# Altium PCB BSPD+SDC.PcbDoc (part 1 of 2)
Units mil, origin at the board's own origin, x right, y up, seen from the top; angles counter-clockwise.
Board outline 4358 x 4357 mil, 2 copper layers (Top Layer, Bottom Layer); 178 components, 132 nets, 572 pads, 173 vias.
Unrouted connection lines stored in the file: 1.
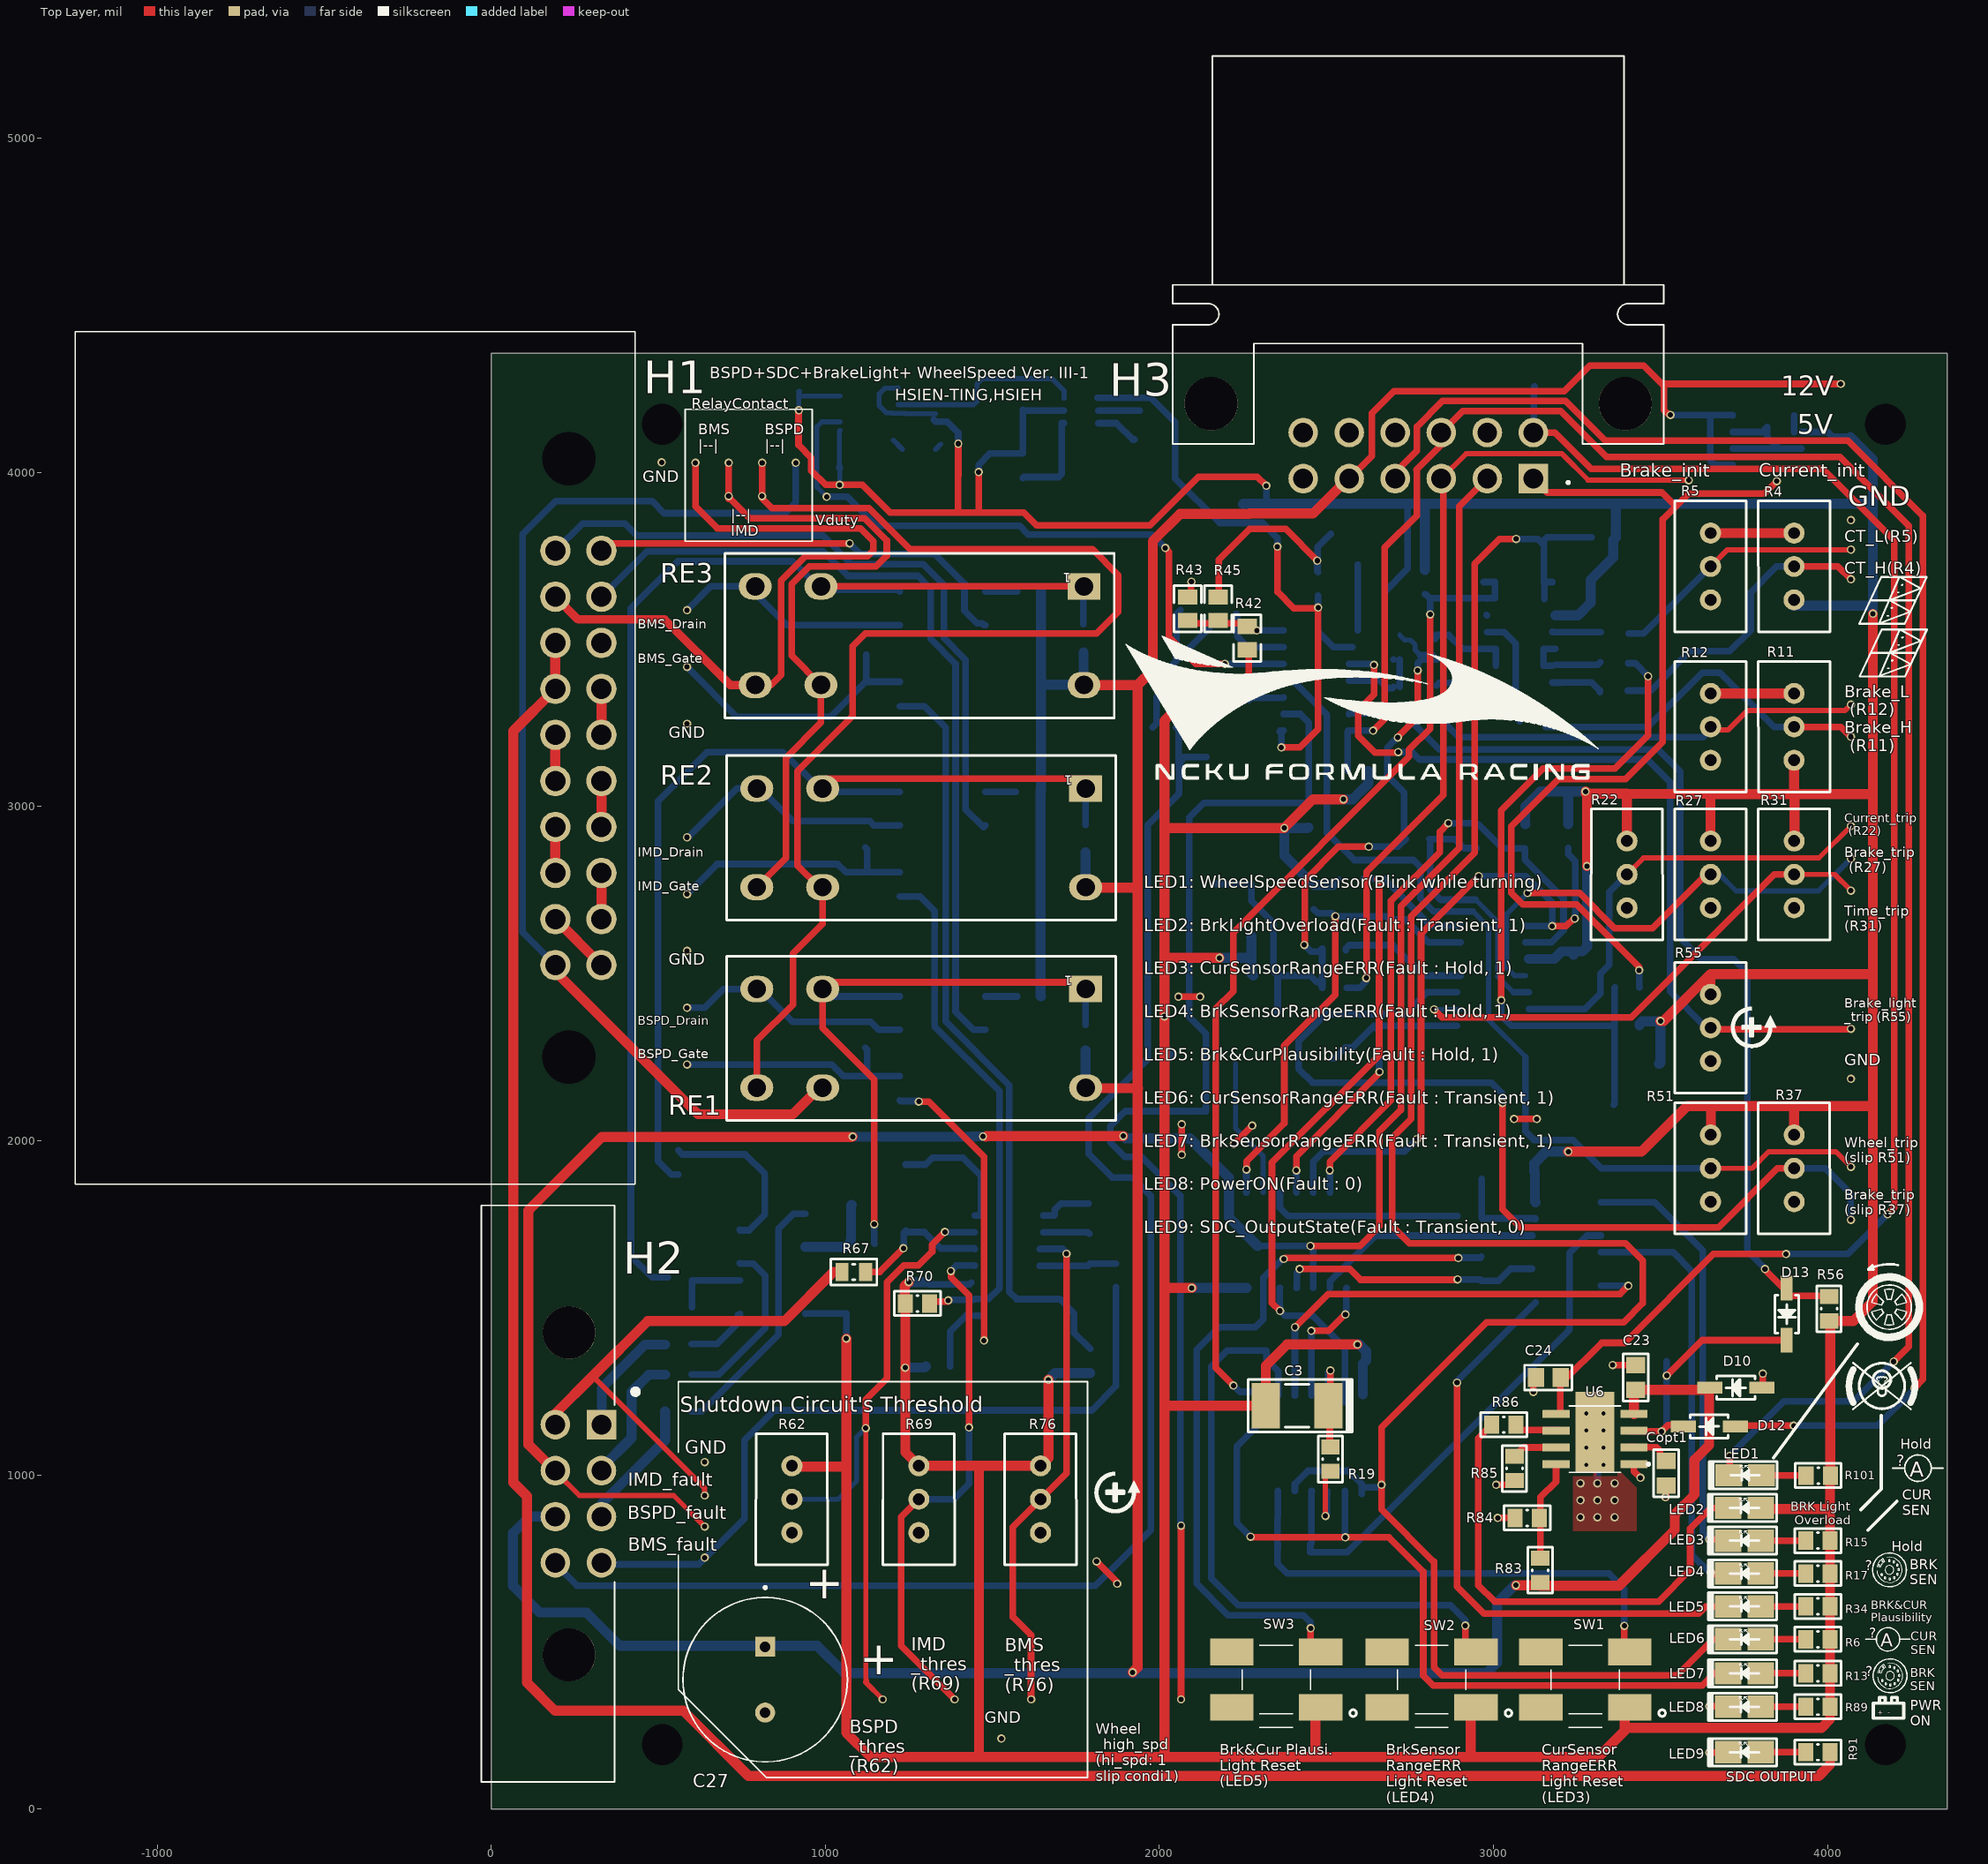
[diagram p0: Top Layer view]
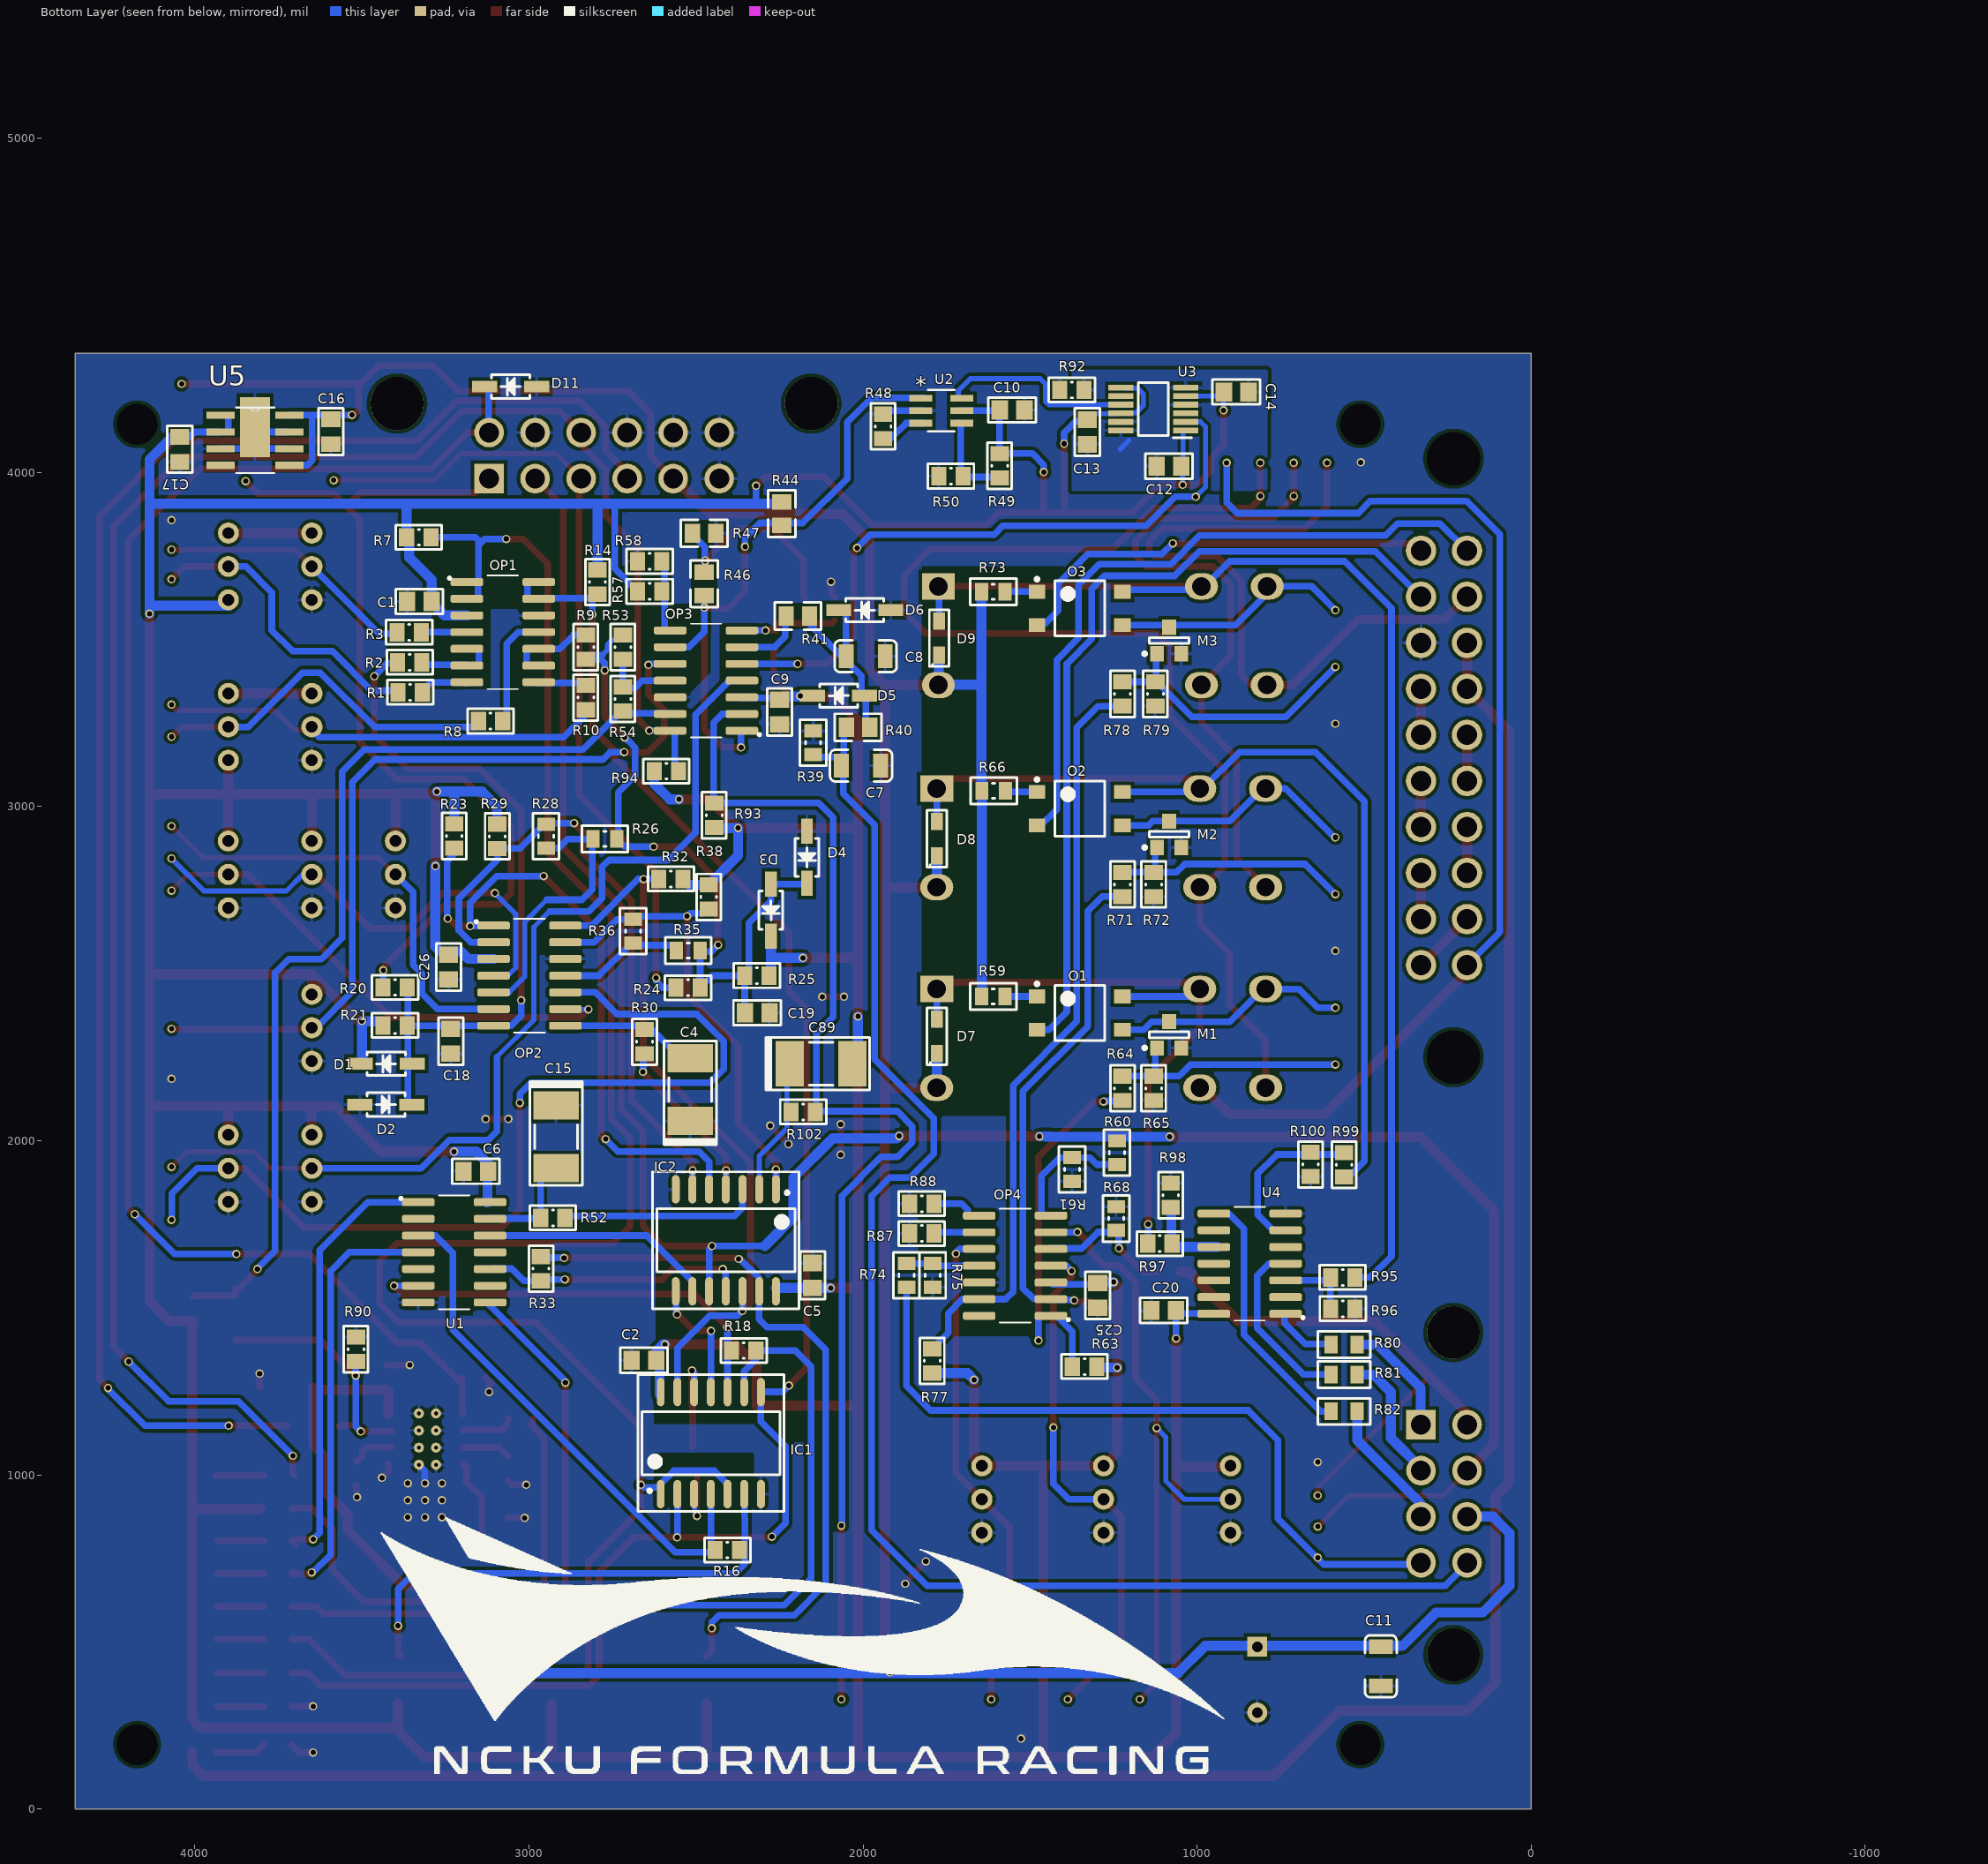
[diagram p1: Bottom Layer view, seen from below]
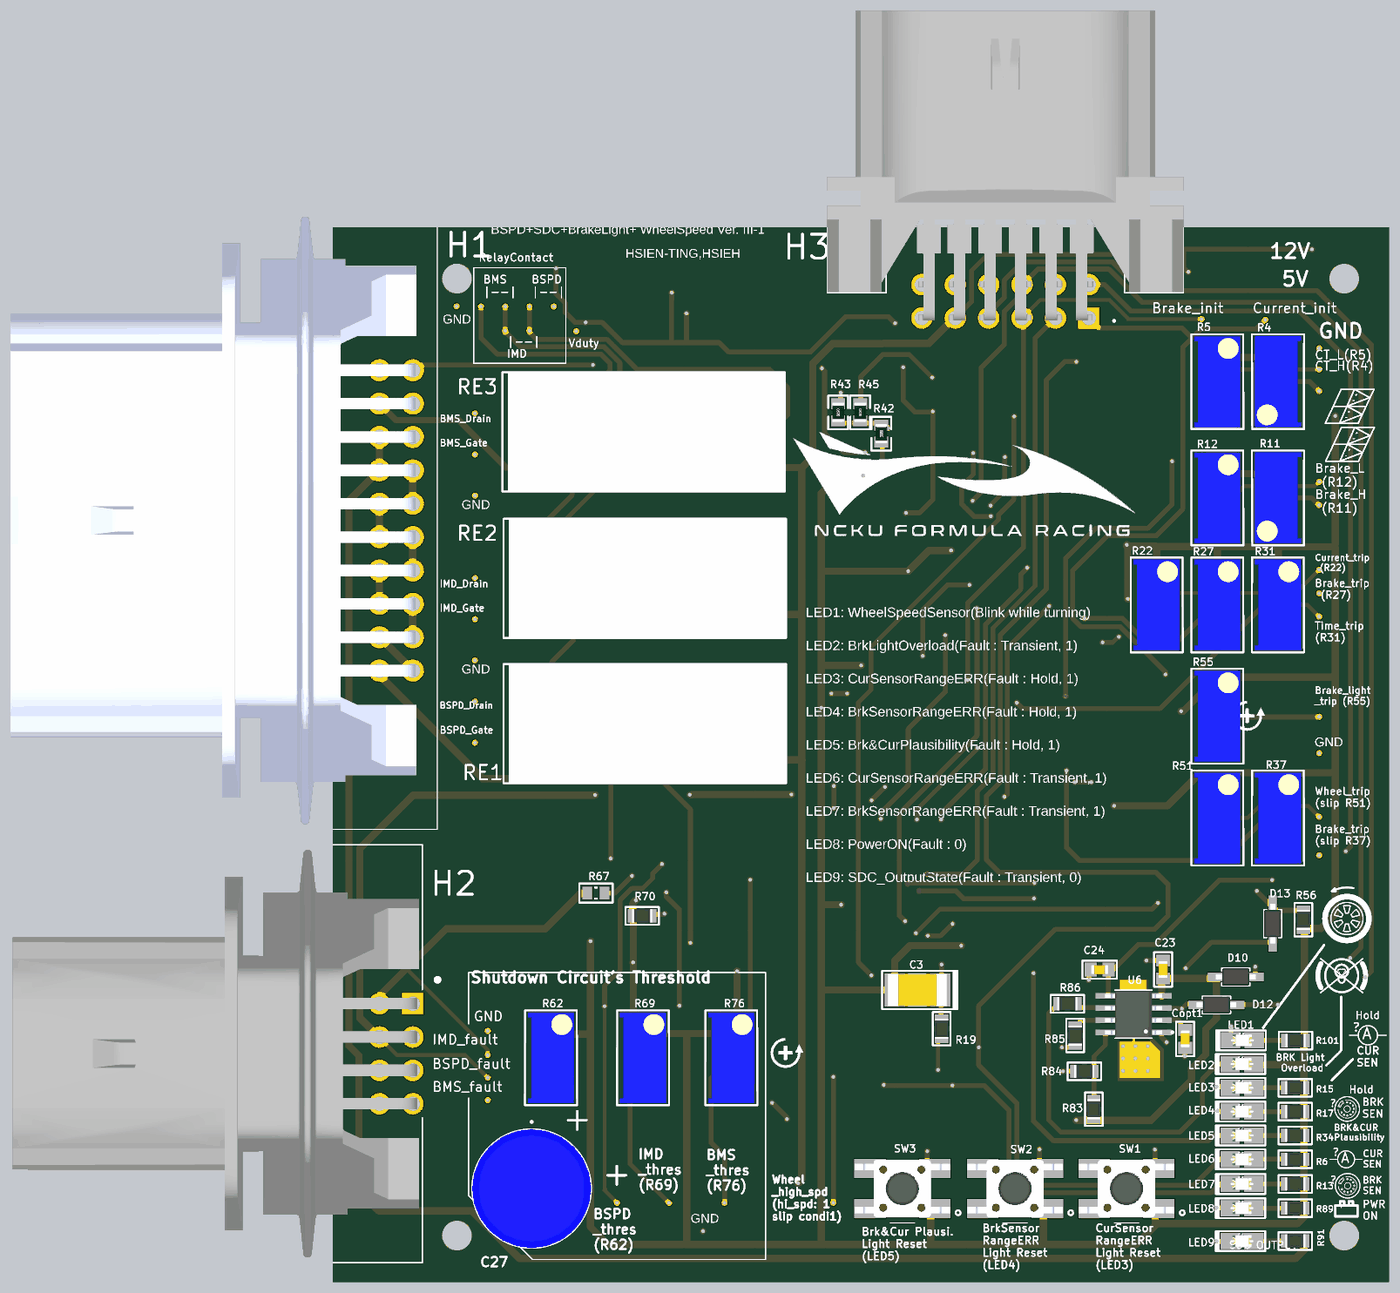
[diagram p3: 3D render of the assembled board from above, using the file's embedded part models]
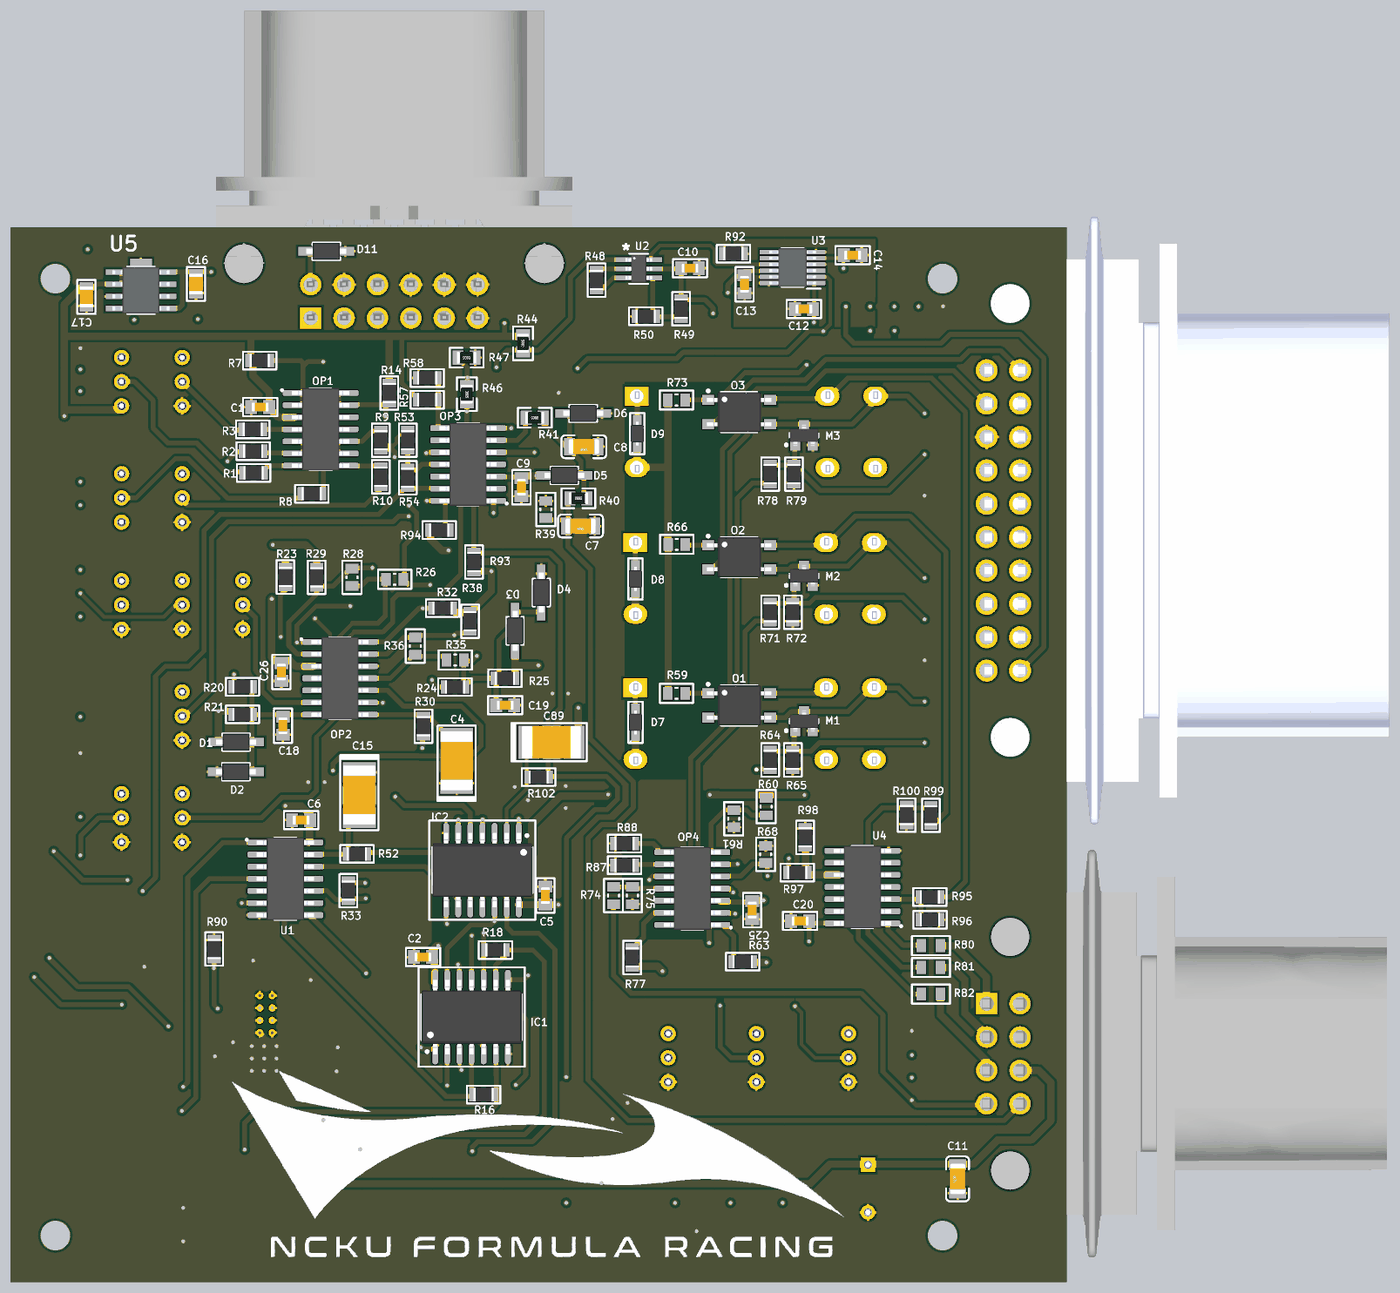
[diagram p4: 3D render of the assembled board from below, using the file's embedded part models]

## Layer stack, top to bottom
Top Solder: solder mask 0.4, Solder Resist, Dk 3.5
Top Layer: signal copper 1.4
Dielectric 1: dielectric 12.6, FR-4, Dk 4.8
Bottom Layer: signal copper 1.4
Bottom Solder: solder mask 0.4, Solder Resist, Dk 3.5

## Board outline
0,0 4358,0 4358,4357 0,4357

## Design rules (kind name [scope] priority, off if disabled: settings)
Clearance [All] p1: gap=10 ignorepadtopadclearanceinfootprint=FALSE except(0: Arc-Hole Track-Hole SMDPad-THPad SMDPad-Hole THPad-Hole Via-Hole Fill-Hole Poly-Hole Region-Hole Text-Hole; 5: Arc-SMDPad Track-SMDPad SMDPad-SMDPad)
Height [All] p1: minheight=0 maxheight=2000 prefheight=500
HoleSize [All] p1: absolutevalues=TRUE maxlimit=160 minlimit=1 maxpercent=80.000 minpercent=20.000
PlaneConnect [All] p1: pad.planeconnectstyle=Direct pad.reliefexpansion=20 pad.reliefentries=4 pad.reliefconductorwidth=10 pad.reliefairgap=10 via.planeconnectstyle=Relief via.reliefexpansion=20 via.reliefentries=4 via.reliefconductorwidth=10 via.reliefairgap=10
PolygonConnect [All] p1: thpad.connectstyle=Relief thpad.reliefconductorwidth=10 thpad.reliefentries=4 thpad.polygonreliefangle="90 Angle" thpad.airgapwidth=10 smdpad.connectstyle=Relief smdpad.reliefconductorwidth=10 smdpad.reliefentries=4 smdpad.polygonreliefangle="90 Angle" smdpad.airgapwidth=10 via.connectstyle=Direct via.reliefconductorwidth=10 via.reliefentries=4 via.polygonreliefangle="90 Angle" via.airgapwidth=10
RoutingVias [All] p1: holewidth=28 width=50 viastyle="Through Hole" minholewidth=16 minwidth=25 maxholewidth=28 maxwidth=50
SolderMaskExpansion [All] p1: expansion=4
UnRoutedNet [All] p1: checkbadconnections=TRUE
Width [All] p1: maxlimit=60 minlimit=15 preferedwidth=20 minimp=50.000000 maximp=50.000000 favimp=50.000000
26 further rules are at their usual default settings.

## Components (designator, comment, footprint, x,y, rotation, side; value= is the part's Value field where it differs from the comment)
C1 "0.1uF" 0805-0.1UF-CAPACITOR 3328,3614 r180 bottom
C2 "0.1uF" 0805-0.1UF-CAPACITOR 2656,1343 r180 bottom
C3 "6.8uF" 2312-6.8UF-CAPACITOR 2412,1207 r0 top
C4 "10uF" 2312-6.8UF-CAPACITOR 2517,2153 r270 bottom
C5 "0.1uF" 0805-0.1UF-CAPACITOR 2151,1597 r270 bottom
C6 "0.1uF" 0805-0.1UF-CAPACITOR 3159,1908.61 r180 bottom
C7 "100nF (104) 10% 50V" 1206_C 2006,3122.61 r0 bottom
C8 "470pF (471) 10% 50V" 1206_C 1992.18,3450 r0 bottom
C9 "0.1uF" 0805-0.1UF-CAPACITOR 2250,3283 r90 bottom
C10 "0.1uF" 0805-0.1UF-CAPACITOR 1554,4187 r0 bottom
C11 "100nF (104) 10% 50V" 1206_C 450,427 r90 bottom
C12 "0.1uF" 0805-0.1UF-CAPACITOR 1084,4019 r180 bottom
C13 "0.1uF" 0805-0.1UF-CAPACITOR 1329,4121 r90 bottom
C14 "0.1uF" 0805-0.1UF-CAPACITOR 883,4241 r0 bottom
C15 "10uF" 2312-6.8UF-CAPACITOR 2918.79,2012 r90 bottom
C16 "1uF" 0805-0.47UF-CAPACITOR 3593,4122 r90 bottom
C17 "1uF" 0805-0.47UF-CAPACITOR 4045,4069 r90 bottom
C18 "0.1uF" 0805-0.1UF-CAPACITOR 3234,2298 r90 bottom
C19 "0.1uF" 0805-0.1UF-CAPACITOR 2317,2383 r0 bottom
C20 "0.1uF" 0805-0.1UF-CAPACITOR 1100,1492 r180 bottom
C23 "0.1uF" 0805-0.1UF-CAPACITOR 3426,1291.5 r270 top
C24 "0.1uF" 0805-0.1UF-CAPACITOR 3164,1291 r0 top
C25 "0.1uF" 0805-0.1UF-CAPACITOR 1297.58,1537 r90 bottom
C26 "0.1uF" 0805-0.1UF-CAPACITOR 3240.56,2520 r90 bottom
C27 "UPM1J221MHD1TO" CAPPRD500W60D1250H2200 820,387 r270 top
C89 "10uF" 2312-6.8UF-CAPACITOR 2126,2230 r0 bottom
Copt1 "0.1uF" 0805-0.1UF-CAPACITOR 3517,1005 r90 top
D1 "1N4148" 1N4148W-TP 3427.39,2230.4 r180 bottom
D2 "1N4148" 1N4148W-TP 3428.22,2108 r0 bottom
D3 "1N4148" 1N4148W-TP 2276,2689.94 r90 bottom
D4 "1N4148" 1N4148W-TP 2168,2848 r90 bottom
D5 "1N4148" 1N4148W-TP 2073,3332 r180 bottom
D6 "1N4148" 1N4148W-TP 1995,3588 r180 bottom
D7 "1SS355VMFHTE-17" 1SS355VMFHTE-17 1778.94,2312.09 r90 bottom
D8 "1SS355VMFHTE-17" 1SS355VMFHTE-17 1779.34,2904.09 r90 bottom
D9 "1SS355VMFHTE-17" 1SS355VMFHTE-17 1771.94,3504.09 r90 bottom
D10 "1N4148" 1N4148W-TP 3725.91,1261 r0 top
D11 "1N4148" 1N4148W-TP 3055,4257 r180 bottom
D12 "1N4148" 1N4148W-TP 3646,1145 r0 top
D13 "1N4148" 1N4148W-TP 3878,1481 r90 top
H1 "34830-2002" 348302002 329.8,3765.77 r270 top
H2 "34830-0801" MOLEX_34830-0801 232.95,943.69 r270 top
H3 "0367831201" MOLEX_36783-1201 2775,4206 r180 top
IC1 "CD4081" CD4081BM 2455.73,1095.06 r90 bottom
IC2 "CD4081" CD4081BM 2410.79,1701.87 r270 bottom
LED1 "led-150080RS75000" LED-0805 3753.34,999 r0 top
LED2 "led-150080RS75000" LED-0805 3751.34,901 r0 top
LED3 "led-150080RS75000" LED-0805 3751.74,803.13 r0 top
LED4 "led-150080RS75000" LED-0805 3751.74,704.7 r0 top
LED5 "led-150080RS75000" LED-0805 3751.74,606.28 r0 top
LED6 "led-150080RS75000" LED-0805 3751.74,507.85 r0 top
LED7 "led-150080RS75000" LED-0805 3751.74,406 r0 top
LED8 "led-150080RS75000" LED-0805 3751.34,306 r0 top
LED9 "led-150080RS75000" LED-0805 3751.34,170 r0 top
M1 "2N7002-7-F" 2N7002-7-F 1083.61,2317 r90 bottom
M2 "2N7002-7-F" 2N7002-7-F 1083.61,2917 r90 bottom
M3 "2N7002-7-F" 2N7002-7-F 1083.61,3497 r90 bottom
O1 "VOM618AT" VOM618AT 1351.41,2381.91 r180 bottom
O2 "VOM618AT" VOM618AT 1351.41,2993.69 r180 bottom
O3 "VOM618AT" VOM618AT 1351.41,3593.09 r180 bottom
OP1 "ADCMP393ARZ" SOIC127P600X175-14N 3078.48,3522.03 r180 bottom
OP2 "ADCMP393ARZ" SOIC127P600X175-14N 2998.56,2494 r180 bottom
OP3 "ADCMP393ARZ" SOIC127P600X175-14N 2470,3377 r0 bottom
OP4 "ADCMP393ARZ" SOIC127P600X175-14N 1544.91,1625.86 r0 bottom
R1 "10kR" 0805-RESISTOR 3355.47,3342.11 r180 bottom
R2 "10kR" 0805-RESISTOR 3357,3432 r180 bottom
R3 "10kR" 0805-RESISTOR 3358.57,3521.65 r180 bottom
R4 "50kR" 50KR-VERTICAL 3900,3718.69 r180 top
R5 "50kR" 50KR-VERTICAL 3650,3718.69 r0 top
R6 "470R" 0805-RESISTOR 3971.34,507.85 r0 top
R7 "39kR" 0805-RESISTOR 3329.97,3806 r0 bottom
R8 "10kR" 0805-RESISTOR 3115,3256 r180 bottom
R9 "10kR" 0805-RESISTOR 2829.9,3477 r90 bottom
R10 "10kR" 0805-RESISTOR 2829.9,3326.09 r90 bottom
R11 "50kR" 50KR-VERTICAL 3900,3238.69 r180 top
R12 "50kR" 50KR-VERTICAL 3650,3238.69 r0 top
R13 "470R" 0805-RESISTOR 3971.34,406 r0 top
R14 "39kR" 0805-RESISTOR 2795,3672 r90 bottom
R15 "470R" 0805-RESISTOR 3971.34,803.13 r0 top
R16 "10kR" 0805-RESISTOR 2406,775 r0 bottom
R17 "470R" 0805-RESISTOR 3971.34,704.7 r0 top
R18 "10k" 0805-RESISTOR 2357,1372 r0 bottom
R19 "100kR" 0805-RESISTOR 2512,1047 r90 top
R20 "100R" 0805-RESISTOR 3400.76,2459 r180 bottom
R21 "10kR" 0805-RESISTOR 3400.76,2345 r0 bottom
R22 "50kR" 50KR-VERTICAL 3400,2797 r0 top
R23 "39kR" 0805-RESISTOR 3224,2912 r90 bottom
R24 "100R" 0805-RESISTOR 2524,2458 r180 bottom
R25 "10kR" 0805-RESISTOR 2318,2494 r180 bottom
R26 "2kR" 2KR 2773,2903 r0 bottom
R27 "50kR" 50KR-VERTICAL 3650,2797 r0 top
R28 "100kR" "YAGEO 0805" 2949,2911 r90 bottom
R29 "39kR" 0805-RESISTOR 3095,2911 r90 bottom
R30 "100kR" 0805-RESISTOR 2654,2296.15 r90 bottom
R31 "50kR" 50KR-VERTICAL 3900.19,2797 r0 top
R32 "39kR" 0805-RESISTOR 2575.17,2783.4 r180 bottom
R33 "100R" 0805-RESISTOR 2964.11,1617 r270 bottom
R34 "470R" 0805-RESISTOR 3971.34,606.28 r0 top
R35 "2kR" 2KR 2523,2569.51 r0 bottom
R36 "100kR" "YAGEO 0805" 2688,2627 r90 bottom
R37 "50kR" 50KR-VERTICAL 3900.19,1917.4 r0 top
R38 "39kR" 0805-RESISTOR 2462,2729.42 r90 bottom
R39 "115R" "YAGEO 0805" 2149.11,3191.16 r270 bottom
R40 "4.7KΩ (4701) ±1%" 0805_R 2015,3237 r180 bottom
R41 "10KΩ (1002) ±1%" 0805_R 2195,3570 r0 bottom
R42 "39KΩ (3902) ±1%" 0805_R 2263,3504 r270 top
R43 "10KΩ (1002) ±1%" 0805_R 2085,3592 r270 top
R44 "2.2KΩ (2201) ±1%" 0805_R 2243.35,3877 r90 bottom
R45 "470KΩ (4703) ±1%" 0805_R 2176,3592 r270 top
R46 "47KΩ (4702) ±1%" 0805_R 2475.28,3666.96 r270 bottom
R47 "47KΩ (4702) ±1%" 0805_R 2476,3818 r0 bottom
R48 "200kR" 0805-RESISTOR 1940,4138 r270 bottom
R49 "1MR" 0805-RESISTOR 1591,4020 r90 bottom
R50 "270kR" 0805-RESISTOR 1737,3989 r180 bottom
R51 "50kR" 50KR-VERTICAL 3650,1917.4 r0 top
R52 "100kR" 0805-RESISTOR 2928.63,1769 r0 bottom
R53 "5kR" 0805-RESISTOR 2719,3477 r90 bottom
R54 "100kR" 0805-RESISTOR 2719,3322 r90 bottom
R55 "50kR" 50KR-VERTICAL 3650,2338 r0 top
R56 "5kR" 0805-RESISTOR 4004.82,1497.06 r90 top
R57 "10kR" 0805-RESISTOR 2638.86,3644.13 r0 bottom
R58 "10kR" 0805-RESISTOR 2638.86,3734.13 r180 bottom
R59 "432R" 432R 1610,2431.91 r0 bottom
R60 "4.7kR" 4.99KR 1240,1964 r270 bottom
R61 "10kR" "YAGEO 0805" 1374,1914 r90 bottom
R62 "50kR" 50KR-VERTICAL 900,927 r0 top
R63 "1kR" 0805-RESISTOR 1337,1324 r180 bottom
R64 "100R" 0805-RESISTOR 1223.46,2157 r90 bottom
R65 "100kR" 0805-RESISTOR 1130,2157 r270 bottom
R66 "432R" 432R 1608.86,3047 r0 bottom
R67 "4.7kR" 4.99KR 1085.43,1607 r0 top
R68 "10kR" "YAGEO 0805" 1242,1767 r270 bottom
R69 "50kR" 50KR-VERTICAL 1280,927 r0 top
R70 "1kR" 0805-RESISTOR 1276,1513 r180 top
R71 "100R" 0805-RESISTOR 1223.46,2767 r90 bottom
R72 "100kR" 0805-RESISTOR 1130,2767 r270 bottom
R73 "432R" 432R 1610,3643.09 r0 bottom
R74 "4.7kR" 4.99KR 1870,1597 r90 bottom
R75 "10kR" "YAGEO 0805" 1792,1597 r90 bottom
R76 "50kR" 50KR-VERTICAL 1644.29,927 r0 top
R77 "1kR" 0805-RESISTOR 1793,1341 r270 bottom
R78 "100R" 0805-RESISTOR 1223.46,3337 r90 bottom
R79 "100kR" 0805-RESISTOR 1125.08,3337 r270 bottom
R80 "665R" 665R,499R 559.93,1389.94 r0 bottom
R81 "665R" 665R,499R 559.93,1299.94 r0 bottom
R82 "665R" 665R,499R 559.93,1189.94 r0 bottom
R83 "549kR" 0805-RESISTOR 3140,714.58 r270 top
R84 "47kR" 0805-RESISTOR 3101,871 r0 top
R85 "510R" 0805-RESISTOR 3063,1019 r90 top
R86 "430R" 0805-RESISTOR 3031,1150 r180 top
R87 "10kR" 0805-RESISTOR 1824.39,1722.17 r180 bottom
R88 "10MR" 0805-RESISTOR 1824.39,1811.58 r180 bottom